# KiCad board simplyKeeb-S60c.kicad_pcb (continued)
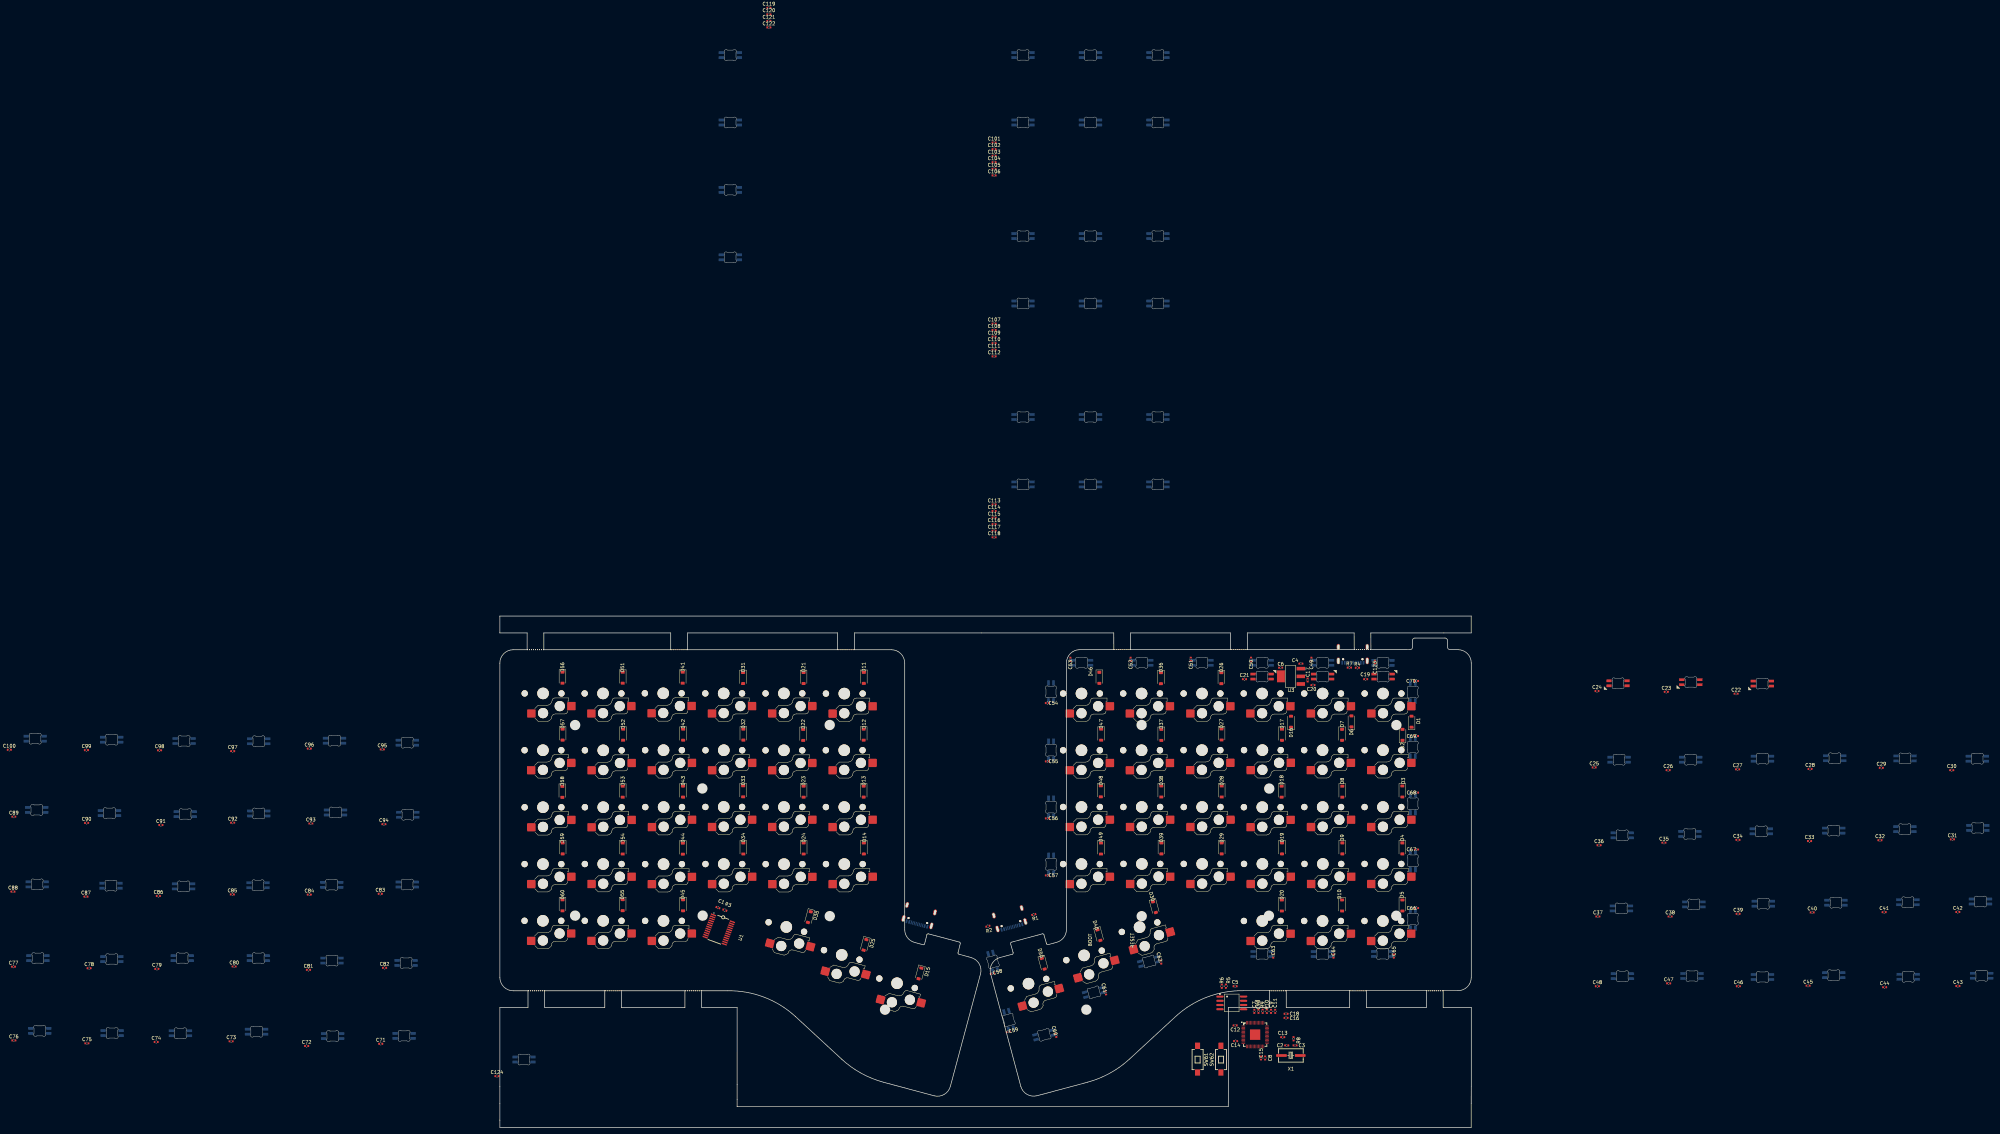
[diagram p0: board, top side]
## Placement (name value [footprint] x y rotation side) (continued)
D117  SK6812MINI-E  [Choc_SK6812MINI-E]  24.8 33.33 0 top
D118  SK6812MINI-E  [Choc_SK6812MINI-E]  3.1 33.98 0 top
D119  SK6812MINI-E  [Choc_SK6812MINI-E]  2.55 55.78 0 top
D120  SK6812MINI-E  [Choc_SK6812MINI-E]  24.7 55.48 0 top
D121  SK6812MINI-E  [Choc_SK6812MINI-E]  45.8 55.78 0 top
D122  SK6812MINI-E  [Choc_SK6812MINI-E]  68.6 55.78 0 top
D123  SK6812MINI-E  [Choc_SK6812MINI-E]  90.65 55.03 0 top
D124  SK6812MINI-E  [Choc_SK6812MINI-E]  112.85 54.33 0 top
D125  SK6812MINI-E  [Choc_SK6812MINI-E]  113.2 77.83 0 top
D126  SK6812MINI-E  [Choc_SK6812MINI-E]  90.55 77.73 0 top
D127  SK6812MINI-E  [Choc_SK6812MINI-E]  68.5 77.63 0 top
D128  SK6812MINI-E  [Choc_SK6812MINI-E]  46.2 77.28 0 top
D129  SK6812MINI-E  [Choc_SK6812MINI-E]  24.45 77.48 0 top
D130  SK6812MINI-E  [Choc_SK6812MINI-E]  2.35 77.88 0 top
D131  SK6812MINI-E  [Choc_SK6812MINI-E]  2.2 100.18 0 top
D132  SK6812MINI-E  [Choc_SK6812MINI-E]  24 99.23 0 top
D133  SK6812MINI-E  [Choc_SK6812MINI-E]  46.7 98.93 0 top
D134  SK6812MINI-E  [Choc_SK6812MINI-E]  68.7 99.13 0 top
D135  SK6812MINI-E  [Choc_SK6812MINI-E]  91.7 99.43 0 top
D136  SK6812MINI-E  [Choc_SK6812MINI-E]  113.35 98.73 0 top
D137  SK6812MINI-E  [Choc_SK6812MINI-E]  113.2 120.33 0 top
D138  SK6812MINI-E  [Choc_SK6812MINI-E]  91.4 120.93 0 top
D139  SK6812MINI-E  [Choc_SK6812MINI-E]  68.7 120.78 0 top
D140  SK6812MINI-E  [Choc_SK6812MINI-E]  46.35 120.83 0 top
D141  SK6812MINI-E  [Choc_SK6812MINI-E]  24.65 121.23 0 top
D142  SK6812MINI-E  [Choc_SK6812MINI-E]  1.75 121.53 0 top
D143  SK6812MINI-E  [Choc_SK6812MINI-E]  297.63 326.36 0 top
D144  SK6812MINI-E  [Choc_SK6812MINI-E]  297.63 306.16 0 top
D145  SK6812MINI-E  [Choc_SK6812MINI-E]  317.83 326.36 0 top
D146  SK6812MINI-E  [Choc_SK6812MINI-E]  317.83 306.16 0 top
D147  SK6812MINI-E  [Choc_SK6812MINI-E]  338.03 326.36 0 top
D148  SK6812MINI-E  [Choc_SK6812MINI-E]  338.03 306.16 0 top
D149  SK6812MINI-E  [Choc_SK6812MINI-E]  297.63 272.14 0 top
D150  SK6812MINI-E  [Choc_SK6812MINI-E]  297.63 251.94 0 top
D151  SK6812MINI-E  [Choc_SK6812MINI-E]  317.83 272.14 0 top
D152  SK6812MINI-E  [Choc_SK6812MINI-E]  317.83 251.94 0 top
D153  SK6812MINI-E  [Choc_SK6812MINI-E]  338.03 272.14 0 top
D154  SK6812MINI-E  [Choc_SK6812MINI-E]  338.03 251.94 0 top
D155  SK6812MINI-E  [Choc_SK6812MINI-E]  297.63 217.92 0 top
D156  SK6812MINI-E  [Choc_SK6812MINI-E]  297.63 197.72 0 top
D157  SK6812MINI-E  [Choc_SK6812MINI-E]  317.83 217.92 0 top
D158  SK6812MINI-E  [Choc_SK6812MINI-E]  317.83 197.72 0 top
D159  SK6812MINI-E  [Choc_SK6812MINI-E]  338.03 217.92 0 top
D160  SK6812MINI-E  [Choc_SK6812MINI-E]  338.03 197.72 0 top
D161  SK6812MINI-E  [Choc_SK6812MINI-E]  209.96 326.36 0 top
D162  SK6812MINI-E  [Choc_SK6812MINI-E]  209.96 306.16 0 top
D163  SK6812MINI-E  [Choc_SK6812MINI-E]  209.96 285.96 0 top
D164  SK6812MINI-E  [Choc_SK6812MINI-E]  209.96 265.76 0 top
D165  SK6812MINI-E  [Choc_SK6812MINI-E]  405.45 144.25 0 top
D166  SK6812MINI-E  [Choc_SK6812MINI-E]  148.17 25.39 0 top
R1  R4.7k  [R_0402_1005Metric]  300.84 63.76 195 top
R2  R4.7k  [R_0402_1005Metric]  287.09 60.26 15 top
R3  10k  [R_0402_1005Metric]  208.3 65.08 160 top
R4  5.1k  [R_0402_1005Metric]  397.78 137.71 180 top
R5  1k  [R_0402_1005Metric]  358.4 42.29 90 top
R6  10k  [R_0402_1005Metric]  357.15 42.29 270 top
R7  5.1k  [R_0402_1005Metric]  395.37 137.75 180 top
R8  1k  [R_0402_1005Metric]  378.65 26.53 270 top
R9  27R  [R_0402_1005Metric]  369.4 34.76 270 top
R10  27R  [R_0402_1005Metric]  370.65 34.76 270 top
REF**  -  [Breakaway_Tabs]  151.6 143.13 0 top
REF**#2  -  [Breakaway_Tabs]  194.6 143.13 0 top
REF**#3  -  [Breakaway_Tabs]  327.3 143.18 0 top
REF**#4  -  [Breakaway_Tabs]  151.85 40.93 0 top
REF**#5  -  [Breakaway_Tabs]  399.35 143.18 0 top
REF**#6  -  [Breakaway_Tabs]  362.35 143.18 0 top
REF**#7  -  [Breakaway_Tabs]  198.85 40.93 0 top
REF**#8  -  [Breakaway_Tabs]  244.6 143.13 0 top
REF**#9  -  [Breakaway_Tabs]  373.95 40.93 0 top
REF**#10  -  [Breakaway_Tabs]  420.95 40.93 0 top
REF**#11  -  [Breakaway_Tabs]  397.95 40.93 0 top
REF**#12  -  [Breakaway_Tabs]  174.85 40.93 0 top
SW1  SW_Push  [Choc-1U-Hotswap]  405.45 129.98 0 bottom
SW2  SW_Push  [Choc-1U-Hotswap]  405.43 113.02 0 bottom
SW3  SW_Push  [Choc-1U-Hotswap]  405.43 95.97 0 bottom
SW4  SW_Push  [Choc-1U-Hotswap]  405.43 78.92 0 bottom
SW5  SW_Push  [Choc-1U-Hotswap]  405.4 61.83 0 bottom
SW6  SW_Push  [Choc-1U-Hotswap]  387.35 129.98 0 bottom
SW7  SW_Push  [Choc-1U-Hotswap]  387.33 113.02 0 bottom
SW8  SW_Push  [Choc-1U-Hotswap]  387.38 95.97 0 bottom
SW9  SW_Push  [Choc-1U-Hotswap]  387.43 78.92 0 bottom
SW10  SW_Push  [Choc-1U-Hotswap]  387.34 61.83 0 bottom
SW11  SW_Push  [Choc-1U-Hotswap]  244.09 129.97 0 bottom
SW12  SW_Push  [Choc-1U-Hotswap]  244.06 112.99 0 bottom
SW13  SW_Push  [Choc-1U-Hotswap]  244.08 95.97 0 bottom
SW14  SW_Push  [Choc-1U-Hotswap]  244.1 78.88 0 bottom
SW15  SW_Push  [Choc-2U-Hotswap-Vertical]  259.89 43.17 345 bottom
SW16  SW_Push  [Choc-1U-Hotswap]  369.24 129.98 0 bottom
SW17  SW_Push  [Choc-1U-Hotswap]  369.32 113.02 0 bottom
SW18  SW_Push  [Choc-1U-Hotswap]  369.29 95.93 0 bottom
SW19  SW_Push  [Choc-1U-Hotswap]  369.32 78.92 0 bottom
SW20  SW_Push  [Choc-1U-Hotswap]  369.29 61.83 0 bottom
SW21  SW_Push  [Choc-1U-Hotswap]  226 130.02 0 bottom
SW22  SW_Push  [Choc-1U-Hotswap]  226 112.96 0 bottom
SW23  SW_Push  [Choc-1U-Hotswap]  226.01 95.98 0 bottom
SW24  SW_Push  [Choc-1U-Hotswap]  226.04 78.86 0 bottom
SW25  SW_Push  [Choc-1.5U-Hotswap-Vertical]  243.32 51.67 345 bottom
SW26  SW_Push  [Choc-1U-Hotswap]  351.24 129.98 0 bottom
SW27  SW_Push  [Choc-1U-Hotswap]  351.22 113.02 0 bottom
SW28  SW_Push  [Choc-1U-Hotswap]  351.27 95.97 0 bottom
SW29  SW_Push  [Choc-1U-Hotswap]  351.27 78.92 0 bottom
SW30  SW_Push  [Choc-1U-Hotswap]  332.54 59.97 15 bottom
SW31  SW_Push  [Choc-1U-Hotswap]  207.96 130.02 0 bottom
SW32  SW_Push  [Choc-1U-Hotswap]  208.01 112.99 0 bottom
SW33  SW_Push  [Choc-1U-Hotswap]  207.98 95.99 0 bottom
SW34  SW_Push  [Choc-1U-Hotswap]  208.01 78.89 0 bottom
SW35  SW_Push  [Choc-1U-Hotswap]  226.73 60.03 345 bottom
SW36  SW_Push  [Choc-1U-Hotswap]  333.14 129.98 0 bottom
SW37  SW_Push  [Choc-1U-Hotswap]  333.14 112.98 0 bottom
SW38  SW_Push  [Choc-1U-Hotswap]  333.19 95.98 0 bottom
SW39  SW_Push  [Choc-1U-Hotswap]  333.22 78.92 0 bottom
SW40  SW_Push  [Choc-1.5U-Hotswap-Vertical]  315.91 51.51 15 bottom
SW41  SW_Push  [Choc-1U-Hotswap]  189.86 130.05 0 bottom
SW42  SW_Push  [Choc-1U-Hotswap]  189.95 113 0 bottom
SW43  SW_Push  [Choc-1U-Hotswap]  189.98 95.96 0 bottom
SW44  SW_Push  [Choc-1U-Hotswap]  189.96 78.86 0 bottom
SW45  SW_Push  [Choc-1U-Hotswap]  189.93 61.87 0 bottom
SW46  SW_Push  [Choc-1U-Hotswap]  315.14 129.98 0 bottom
SW47  SW_Push  [Choc-1U-Hotswap]  315.14 112.98 0 bottom
SW48  SW_Push  [Choc-1U-Hotswap]  315.14 95.98 0 bottom
SW49  SW_Push  [Choc-1U-Hotswap]  315.14 78.88 0 bottom
SW50  SW_Push  [Choc-2U-Hotswap-Vertical]  299.27 43.05 15 bottom
SW51  SW_Push  [Choc-1U-Hotswap]  171.83 130 0 bottom
SW52  SW_Push  [Choc-1U-Hotswap]  171.9 112.96 0 bottom
SW53  SW_Push  [Choc-1U-Hotswap]  171.9 95.92 0 bottom
SW54  SW_Push  [Choc-1U-Hotswap]  171.88 78.89 0 bottom
SW55  SW_Push  [Choc-1U-Hotswap]  171.87 61.88 0 bottom
SW56  SW_Push  [Choc-1U-Hotswap]  153.87 130.01 0 bottom
SW57  SW_Push  [Choc-1U-Hotswap]  153.83 112.99 0 bottom
SW58  SW_Push  [Choc-1U-Hotswap]  153.85 95.91 0 bottom
SW59  SW_Push  [Choc-1U-Hotswap]  153.84 78.87 0 bottom
SW60  SW_Push  [Choc-1U-Hotswap]  153.82 61.88 0 bottom
SW61  ~  [SW-SMD_L6.0-W3.3-LS8.0]  349.9 20.43 90 top
SW62  ~  [SW-SMD_L6.0-W3.3-LS8.0]  356.9 20.43 90 top
U1  PCA9555PW (IO Expander)  [TSSOP-24_L7.8-W4.4-P0.65-LS6.4-BL]  206.5 59.28 250 top
U2  ~  [SOIC-8_L5.3-W5.3-P1.27-LS8.0-BL]  360.15 37.28 270 top
U3  ~  [SOT-223-3_L6.5-W3.4-P2.30-LS7.0-BR]  377.85 135.13 0 top
U4  ~  [RP2040]  367.15 27.78 0 top
USB1  USB Type C  [USB-C-SMD_TYPE-C-31-M-31#2]  266.46 63.22 345 bottom
USB2  USB Type C  [USB-C-SMD_TYPE-C-31-M-31]  293.67 62.3 15 bottom
USB3  USB Type C  [USB-C-SMD_TYPE-C-31-M-31#3]  396.4 141.58 0 bottom
X1  S4T12000ZYFAC  [CRYSTAL-SMD_L7.4-W4.0-LS8.0]  377.85 21.53 180 top

## Library data of the parts
C1-C6 C17 C19-C124 = -: Description: Unpolarized capacitor
C7 C8 C10 C12-C16 C18 = -: Description: Unpolarized capacitor; LCSC: C83056
C9 C11 = -: Description: Unpolarized capacitor; LCSC: C92755
D1-D60 = -: Description: 75V 0.15A Fast Switching Diode, SOD-123
D61-D166 = -: Field4: 1
R1-R8 = -: Description: Resistor
R9 R10 = -: Description: Resistor; LCSC: C25100
SW1-SW62 = -: Description: Push button switch, generic, two pins
U1 = -: JLC Part: Extended Part; LCSC: C128392; LCSC Part: C128392; Manufacturer: NXP
U2 = -: JLC Part: Extended Part; LCSC: C82317; LCSC Part: C82317; Manufacturer: WINBOND
U3 = -: JLC Part: Extended Part; LCSC: C26537; LCSC Part: C26537; Manufacturer: ON
U4 = -: JLC Part: Extended Part; LCSC: C2040; LCSC Part: C2040; Manufacturer: Raspberry Pi
USB1-USB3 = -: JLC Part: Extended Part; LCSC: C2760486; LCSC Part: C2760486; Manufacturer: 韩国韩荣
X1 = -: LCSC: C2149004; LCSC Part: C2149004; Manufacturer: JYJE(晶友嘉)

## Footprints (pads in the part's own frame, mm; a bottom-side part is the same pattern mirrored in y, then rotated)
Breakaway_Tabs
  round 0.3 hole 0.3 unplated: (-2.375,0) (-1.781,0) (-1.188,0) (-0.594,0) (0,0) (0.594,0) (1.188,0) (1.781,0) (2.375,0)
C_0402_1005Metric
  rrect 0.56x0.62 smd: 1(-0.48,0) 2(0.48,0)
Choc-1.5U-Hotswap-Vertical
  round 1.9 hole 1.9 unplated: (-5.5,0) (5.5,0)
  round 3.45 hole 3.45 unplated: (0,0)
  round 3.05 hole 3.05 unplated: (0,5.9) (5,3.8)
  rrect 2.55x2.5 smd far side: 1(-3.5,6) 2(8.5,3.8)
Choc-1U-Hotswap
  round 1.9 hole 1.9 unplated: (-5.5,0) (5.5,0)
  round 3.45 hole 3.45 unplated: (0,0)
  round 3.05 hole 3.05 unplated: (0,5.9) (5,3.8)
  rrect 2.55x2.5 smd far side: 1(-3.5,6) 2(8.5,3.8)
Choc-2U-Hotswap-Vertical
  round 1.9 hole 1.9 unplated: (-5.5,0) (5.5,0)
  round 3.45 hole 3.45 unplated: (0,0)
  round 3.05 hole 3.05 unplated: (0,5.9) (5,3.8)
  rrect 2.55x2.5 smd far side: 1(-3.5,6) 2(8.5,3.8)
Choc_SK6812MINI-E
  rrect 1.6x0.82 smd far side: 1(-2.7,-4.33) 2(-2.7,-5.83) 3(2.7,-5.83) 4(2.7,-4.33)
CRYSTAL-SMD_L7.4-W4.0-LS8.0
  rect 3.2x0.8 smd: 1(-2.8,0) 2(2.8,0)
D_SOD-123
  rrect 0.9x1.2 smd: 1(-1.65,0) 2(1.65,0)
R_0402_1005Metric
  rrect 0.54x0.64 smd: 1(-0.51,0) 2(0.51,0)
RP2040
  rect 1.1x0.2 smd: 1(-3.55,2.6) 2(-3.55,2.2) 3(-3.55,1.8) 4(-3.55,1.4) 5(-3.55,1) 6(-3.55,0.6) 7(-3.55,0.2) 8(-3.55,-0.2) 9(-3.55,-0.6) 10(-3.55,-1) 11(-3.55,-1.4) 12(-3.55,-1.8) 13(-3.55,-2.2) 14(-3.55,-2.6) 29(3.55,-2.6) 30(3.55,-2.2) 31(3.55,-1.8) 32(3.55,-1.4) 33(3.55,-1) 34(3.55,-0.6) 35(3.55,-0.2) 36(3.55,0.2) 37(3.55,0.6) 38(3.55,1) 39(3.55,1.4) 40(3.55,1.8) 41(3.55,2.2) 42(3.55,2.6)
  rect 0.2x1.1 smd: 15(-2.6,-3.55) 16(-2.2,-3.55) 17(-1.8,-3.55) 18(-1.4,-3.55) 19(-1,-3.55) 20(-0.6,-3.55) 21(-0.2,-3.55) 22(0.2,-3.55) 23(0.6,-3.55) 24(1,-3.55) 25(1.4,-3.55) 26(1.8,-3.55) 27(2.2,-3.55) 28(2.6,-3.55) 43(2.6,3.55) 44(2.2,3.55) 45(1.8,3.55) 46(1.4,3.55) 47(1,3.55) 48(0.6,3.55) 49(0.2,3.55) 50(-0.2,3.55) 51(-0.6,3.55) 52(-1,3.55) 53(-1.4,3.55) 54(-1.8,3.55) 55(-2.2,3.55) 56(-2.6,3.55)
  rect 3.1x3.1 smd: 57(0,0)
SOIC-8_L5.3-W5.3-P1.27-LS8.0-BL
  oval 0.63x2.25 smd: 1(-1.91,-3.53) 2(-0.63,-3.53) 3(0.63,-3.53) 4(1.9,-3.53) 5(1.9,3.53) 6(0.63,3.53) 7(-0.63,3.53) 8(-1.91,3.53)
SOT-223-3_L6.5-W3.4-P2.30-LS7.0-BR
  rect 2.5x1.1 smd: 1(2.97,-2.3) 2(2.97,0) 3(2.97,2.3)
  rect 2.34x3.6 smd: 2(-2.97,0)
SW-SMD_L6.0-W3.3-LS8.0
  rect 1.9x1.5 smd: 1(-4,0) 2(4,0)
TSSOP-24_L7.8-W4.4-P0.65-LS6.4-BL
  rect 0.4x1.65 smd: 1(-3.57,-3.02) 2(-2.92,-3.02) 3(-2.27,-3.02) 4(-1.62,-3.02) 5(-0.97,-3.02) 6(-0.32,-3.02) 7(0.32,-3.02) 8(0.98,-3.02) 9(1.63,-3.02) 10(2.28,-3.02) 11(2.93,-3.02) 12(3.57,-3.02) 13(3.57,3.02) 14(2.93,3.02) 15(2.28,3.02) 16(1.63,3.02) 17(0.98,3.02) 18(0.32,3.02) 19(-0.32,3.02) 20(-0.97,3.02) 21(-1.62,3.02) 22(-2.27,3.02) 23(-2.92,3.02) 24(-3.57,3.02)
USB-C-SMD_TYPE-C-31-M-31
  round 0.6 hole 0.6: (-2.89,1.31) (2.89,1.31)
  oval 1x1.8 hole 0.6x1.4: 1(-4.32,-2.37) 1(4.32,-2.37)
  oval 1x2 hole 0.6x1.7: 1(-4.32,1.81) 1(4.32,1.81)
  rect 0.5x1.14 smd: A1(-3.2,2.37) A4(-2.4,2.37) A9(2.4,2.37) A12(3.2,2.37)
  rect 0.3x1.14 smd: A5(-1.25,2.37) A6(-0.25,2.37) A7(0.25,2.37) A8(1.25,2.37) B5(1.75,2.37) B6(0.75,2.37) B7(-0.75,2.37) B8(-1.75,2.37)
USB-C-SMD_TYPE-C-31-M-31#2
  round 0.6 hole 0.6: (-2.89,1.31) (2.89,1.31)
  oval 1x2 hole 0.6x1.7: 1(-4.32,1.81) 1(4.32,1.81)
  oval 1x1.8 hole 0.6x1.4: 1(-4.32,-2.37) 1(4.32,-2.37)
  rect 0.5x1.14 smd: A1(-3.2,2.37) A4(-2.4,2.37) A9(2.4,2.37) A12(3.2,2.37)
  rect 0.3x1.14 smd: A5(-1.25,2.37) A6(-0.25,2.37) A7(0.25,2.37) A8(1.25,2.37) B5(1.75,2.37) B6(0.75,2.37) B7(-0.75,2.37) B8(-1.75,2.37)
USB-C-SMD_TYPE-C-31-M-31#3
  round 0.6 hole 0.6: (-2.89,1.31) (2.89,1.31)
  oval 1x1.8 hole 0.6x1.4: 1(-4.32,-2.37) 1(4.32,-2.37)
  oval 1x2 hole 0.6x1.7: 1(-4.32,1.81) 1(4.32,1.81)
  rect 0.5x1.14 smd: A1(-3.2,2.37) A4(-2.4,2.37) A9(2.4,2.37) A12(3.2,2.37)
  rect 0.3x1.14 smd: A5(-1.25,2.37) A6(-0.25,2.37) A7(0.25,2.37) A8(1.25,2.37) B5(1.75,2.37) B6(0.75,2.37) B7(-0.75,2.37) B8(-1.75,2.37)

## Nets
+1V1: C7.1 C8.1 C9.1 U4.23 U4.45 U4.50
+3V3: C5.1 C6.1 C10.1 C11.1 C12.1 C13.1 C14.1 C15.1 C16.1 C17.1 C18.1 R6.1 U2.8 U3.2 U4.1 U4.10 U4.22 U4.33 U4.42 U4.43 U4.44 U4.48 U4.49
GND: C2.2 C3.2 C4.2 C5.2 C6.2 C7.2 C8.2 C9.2 C10.2 C11.2 C12.2 C13.2 C14.2 C15.2 C16.2 C17.2 C18.2 C19.2 C20.2 C21.1 C22.2 C23.2 C24.2 C25.2 C26.2 C27.1 C28.2 C29.2 C30.2 C31.2 C32.2 C33.1 C34.2 C35.2 C36.2 C37.2 C38.2 C39.1 C40.2 C41.2 C42.2 C43.2 C44.2 C45.1 C46.2 C47.2 C48.2 C49.2 C50.2 C51.1 C52.2 C53.2 C54.2 C55.2 C56.2 C57.1 C58.2 C59.2 C60.2 C61.2 C62.2 C63.1 C64.2 C65.2 C66.2 C67.2 C68.2 C69.2 C70.2 C71.2 C72.2 C73.1 C74.2 C75.2 C76.2 C77.2 C78.2 C79.1 C80.2 C81.2 C82.2 C83.2 C84.2 C85.1 C86.2 C87.2 C88.2 C89.2 C90.2 C91.1 C92.2 C93.2 C94.2 C95.2 C96.2 C97.1 C98.2 C99.2 C100.2 C101.2 C102.2 C103.1 C104.2 C105.2 C106.2 C107.2 C108.2 C109.1 C110.2 C111.2 C112.2 C113.2 C114.2 C115.1 C116.2 C117.2 C118.2 C119.2 C120.2 C121.2 C122.2 C123.2 C124.2 D61.3 D62.3 D63.3 D64.3 D65.3 D66.3 D67.3 D68.3 D69.3 D70.3 D71.3 D72.3 D73.3 D74.3 D75.3 D76.3 D77.3 D78.3 D79.3 D80.3 D81.3 D82.3 D83.3 D84.3 D85.3 D86.3 D87.3 D88.3 D89.3 D90.3 D91.3 D92.3 D93.3 D94.3 D95.3 D96.3 D97.3 D98.3 D99.3 D100.3 D101.3 D102.3 D103.3 D104.3 D105.3 D106.3 D107.3 D108.3 D109.3 D110.3 D111.3 D112.3 D113.3 D114.3 D115.3 D116.3 D117.3 D118.3 D119.3 D120.3 D121.3 D122.3 D123.3 D124.3 D125.3 D126.3 D127.3 D128.3 D129.3 D130.3 D131.3 D132.3 D133.3 D134.3 D135.3 D136.3 D137.3 D138.3 D139.3 D140.3 D141.3 D142.3 D143.3 D144.3 D145.3 D146.3 D147.3 D148.3 D149.3 D150.3 D151.3 D152.3 D153.3 D154.3 D155.3 D156.3 D157.3 D158.3 D159.3 D160.3 D161.3 D162.3 D163.3 D164.3 D165.3 D166.3 R4.1 R7.2 SW61.1 SW62.1 U2.4 U3.1 U4.19 U4.57 USB2.A1 USB2.A12 USB3.A1 USB3.A12
VBUS: C4.1 C19.1 C20.1 C21.2 C22.1 C23.1 C24.1 C25.1 C26.1 C27.2 C28.1 C29.1 C30.1 C31.1 C32.1 C33.2 C34.1 C35.1 C36.1 C37.1 C38.1 C39.2 C40.1 C41.1 C42.1 C43.1 C44.1 C45.2 C46.1 C47.1 C48.1 C49.1 C50.1 C51.2 C52.1 C53.1 C54.1 C55.1 C56.1 C57.2 C58.1 C59.1 C60.1 C61.1 C62.1 C63.2 C64.1 C65.1 C66.1 C67.1 C68.1 C69.1 C70.1 C71.1 C72.1 C73.2 C74.1 C75.1 C76.1 C77.1 C78.1 C79.2 C80.1 C81.1 C82.1 C83.1 C84.1 C85.2 C86.1 C87.1 C88.1 C89.1 C90.1 C91.2 C92.1 C93.1 C94.1 C95.1 C96.1 C97.2 C98.1 C99.1 C100.1 C101.1 C102.1 C103.2 C104.1 C105.1 C106.1 C107.1 C108.1 C109.2 C110.1 C111.1 C112.1 C113.1 C114.1 C115.2 C116.1 C117.1 C118.1 C119.1 C120.1 C121.1 C122.1 C123.1 C124.1 D61.1 D62.1 D63.1 D64.1 D65.1 D66.1 D67.1 D68.1 D69.1 D70.1 D71.1 D72.1 D73.1 D74.1 D75.1 D76.1 D77.1 D78.1 D79.1 D80.1 D81.1 D82.1 D83.1 D84.1 D85.1 D86.1 D87.1 D88.1 D89.1 D90.1 D91.1 D92.1 D93.1 D94.1 D95.1 D96.1 D97.1 D98.1 D99.1 D100.1 D101.1 D102.1 D103.1 D104.1 D105.1 D106.1 D107.1 D108.1 D109.1 D110.1 D111.1 D112.1 D113.1 D114.1 D115.1 D116.1 D117.1 D118.1 D119.1 D120.1 D121.1 D122.1 D123.1 D124.1 D125.1 D126.1 D127.1 D128.1 D129.1 D130.1 D131.1 D132.1 D133.1 D134.1 D135.1 D136.1 D137.1 D138.1 D139.1 D140.1 D141.1 D142.1 D143.1 D144.1 D145.1 D146.1 D147.1 D148.1 D149.1 D150.1 D151.1 D152.1 D153.1 D154.1 D155.1 D156.1 D157.1 D158.1 D159.1 D160.1 D161.1 D162.1 D163.1 D164.1 D165.1 D166.1 R1.1 R2.1 U3.3 USB2.A4 USB2.A9 USB3.A4 USB3.A9
VDD: R3.1 U1.24 USB1.A4 USB1.A9
VSS: C1.2 U1.2 U1.3 U1.12 U1.21 USB1.A1 USB1.A12
/Backlight L1/DIN: D91.4 U4.11
/Backlight L1/DOUT: D96.2 D97.4
/Backlight L2/DOUT: D102.2 D103.4
/Backlight L3/DOUT: D108.2 D109.4
/Backlight L4/DOUT: D61.4 D165.2
/Backlight R1/DIN: D142.2 D143.4
/Backlight R1/DOUT: D148.2 D149.4
/Backlight R2/DOUT: D154.2 D155.4
/Backlight R3/DOUT: D160.2 D161.4
/Backlight R4/DOUT: D166.2
/Col_L0: SW1.1 SW2.1 SW3.1 SW4.1 SW5.1 U4.35
/Col_L1: SW6.1 SW7.1 SW8.1 SW9.1 SW10.1 U4.36
/Col_L2: SW16.1 SW17.1 SW18.1 SW19.1 SW20.1 U4.8
/Col_L3: SW26.1 SW27.1 SW28.1 SW29.1 SW30.1 U4.7
/Col_L4: SW36.1 SW37.1 SW38.1 SW39.1 SW40.1 U4.6
/Col_L5: SW46.1 SW47.1 SW48.1 SW49.1 SW50.1 U4.9
/Col_R0: SW11.1 SW12.1 SW13.1 SW14.1 SW15.1 U1.4
/Col_R1: SW21.1 SW22.1 SW23.1 SW24.1 SW25.1 U1.5
/Col_R2: SW31.1 SW32.1 SW33.1 SW34.1 SW35.1 U1.6
/Col_R3: SW41.1 SW42.1 SW43.1 SW44.1 SW45.1 U1.7
/Col_R4: SW51.1 SW52.1 SW53.1 SW54.1 SW55.1 U1.8
/Col_R5: SW56.1 SW57.1 SW58.1 SW59.1 SW60.1 U1.9
/I2C_SCL_L: R2.2 U4.3 USB2.A6
/I2C_SCL_R: U1.22 USB1.A6
/I2C_SDA_L: R1.2 U4.2 USB2.A7
/I2C_SDA_R: U1.23 USB1.A7
/LEDs Row L1/DOUT: D66.2 D67.4
/LEDs Row L2/DOUT: D72.2 D73.4
/LEDs Row L3/DOUT: D78.2 D79.4
/LEDs Row L4/DOUT: D84.2 D85.4
/LEDs Row R1/DIN: D136.2 D137.4
/LEDs Row R2/DIN: D130.2 D131.4
/LEDs Row R3/DIN: D124.2 D125.4
/LEDs Row R4/DIN: D118.2 D119.4
/RGB_END_L: D90.2 USB2.B6
/RGB_START_R: D113.4 USB1.B6
/Row_L0: D1.1 D6.1 D16.1 D26.1 D36.1 D46.1 U4.29
/Row_L1: D2.1 D7.1 D17.1 D27.1 D37.1 D47.1 U4.30
/Row_L2: D3.1 D8.1 D18.1 D28.1 D38.1 D48.1 U4.31
/Row_L3: D4.1 D9.1 D19.1 D29.1 D39.1 D49.1 U4.32
/Row_L4: D5.1 D10.1 D20.1 D30.1 D40.1 D50.1 U4.34
/Row_R0: D11.1 D21.1 D31.1 D41.1 D51.1 D56.1 U1.13
/Row_R1: D12.1 D22.1 D32.1 D42.1 D52.1 D57.1 U1.14
/Row_R2: D13.1 D23.1 D33.1 D43.1 D53.1 D58.1 U1.15
/Row_R3: D14.1 D24.1 D34.1 D44.1 D54.1 D59.1 U1.16
/Row_R4: D15.1 D25.1 D35.1 D45.1 D55.1 D60.1 U1.17
/RP2040 for Keebs/GPIO2: U4.4
/RP2040 for Keebs/GPIO3: U4.5
/RP2040 for Keebs/GPIO9: U4.12
/RP2040 for Keebs/GPIO10: U4.13
/RP2040 for Keebs/GPIO11: U4.14
/RP2040 for Keebs/GPIO12: U4.15
/RP2040 for Keebs/GPIO13: U4.16
/RP2040 for Keebs/GPIO14: U4.17
/RP2040 for Keebs/GPIO15: U4.18
/RP2040 for Keebs/GPIO16: U4.27
/RP2040 for Keebs/GPIO17: U4.28
/RP2040 for Keebs/GPIO25: U4.37
/RP2040 for Keebs/GPIO26_ADC0: U4.38
/RP2040 for Keebs/GPIO27_ADC1: U4.39
/RP2040 for Keebs/GPIO28_ADC2: U4.40
/RP2040 for Keebs/GPIO29_ADC3: U4.41
/RP2040 for Keebs/QSPI_SCLK: U2.6 U4.52
/RP2040 for Keebs/QSPI_SD0: U2.5 U4.53
/RP2040 for Keebs/QSPI_SD1: U2.2 U4.55
/RP2040 for Keebs/QSPI_SD2: U2.3 U4.54
/RP2040 for Keebs/QSPI_SD3: U2.7 U4.51
/RP2040 for Keebs/QSPI_SS: R5.1 R6.2 U2.1 U4.56
/RP2040 for Keebs/USB_D+: R9.1 USB3.A6 USB3.B6
/RP2040 for Keebs/USB_D-: R10.1 USB3.A7 USB3.B7
/RP2040 for Keebs/XIN: C2.1 U4.20 X1.2
/RP2040 for Keebs/XOUT: R8.1 U4.21
/RP2040 for Keebs/~{USB_BOOT}: R5.2 SW61.2
Net-(C3-Pad1): C3.1 R8.2 X1.1
Net-(D1-A): D1.2 SW1.2
Net-(D2-A): D2.2 SW2.2
Net-(D3-A): D3.2 SW3.2
Net-(D4-A): D4.2 SW4.2
Net-(D5-A): D5.2 SW5.2
Net-(D6-A): D6.2 SW6.2
Net-(D7-A): D7.2 SW7.2
Net-(D8-A): D8.2 SW8.2
Net-(D9-A): D9.2 SW9.2
Net-(D10-A): D10.2 SW10.2
Net-(D11-A): D11.2 SW11.2
Net-(D12-A): D12.2 SW12.2
Net-(D13-A): D13.2 SW13.2
Net-(D14-A): D14.2 SW14.2
Net-(D15-A): D15.2 SW15.2
Net-(D16-A): D16.2 SW16.2
Net-(D17-A): D17.2 SW17.2
Net-(D18-A): D18.2 SW18.2
Net-(D19-A): D19.2 SW19.2
Net-(D20-A): D20.2 SW20.2
Net-(D21-A): D21.2 SW21.2
Net-(D22-A): D22.2 SW22.2
Net-(D23-A): D23.2 SW23.2
Net-(D24-A): D24.2 SW24.2
Net-(D25-A): D25.2 SW25.2
Net-(D26-A): D26.2 SW26.2
Net-(D27-A): D27.2 SW27.2
Net-(D28-A): D28.2 SW28.2
Net-(D29-A): D29.2 SW29.2
Net-(D30-A): D30.2 SW30.2
Net-(D31-A): D31.2 SW31.2
Net-(D32-A): D32.2 SW32.2
Net-(D33-A): D33.2 SW33.2
Net-(D34-A): D34.2 SW34.2
Net-(D35-A): D35.2 SW35.2
Net-(D36-A): D36.2 SW36.2
Net-(D37-A): D37.2 SW37.2
Net-(D38-A): D38.2 SW38.2
Net-(D39-A): D39.2 SW39.2
Net-(D40-A): D40.2 SW40.2
Net-(D41-A): D41.2 SW41.2
Net-(D42-A): D42.2 SW42.2
Net-(D43-A): D43.2 SW43.2
Net-(D44-A): D44.2 SW44.2
Net-(D45-A): D45.2 SW45.2
Net-(D46-A): D46.2 SW46.2
Net-(D47-A): D47.2 SW47.2
Net-(D48-A): D48.2 SW48.2
Net-(D49-A): D49.2 SW49.2
Net-(D50-A): D50.2 SW50.2
Net-(D51-A): D51.2 SW51.2
Net-(D52-A): D52.2 SW52.2
Net-(D53-A): D53.2 SW53.2
Net-(D54-A): D54.2 SW54.2
Net-(D55-A): D55.2 SW55.2
Net-(D56-A): D56.2 SW56.2
Net-(D57-A): D57.2 SW57.2
Net-(D58-A): D58.2 SW58.2
Net-(D59-A): D59.2 SW59.2
Net-(D60-A): D60.2 SW60.2
Net-(D61-DOUT): D61.2 D62.4
Net-(D62-DOUT): D62.2 D63.4
Net-(D63-DOUT): D63.2 D64.4
Net-(D64-DOUT): D64.2 D65.4
Net-(D65-DOUT): D65.2 D66.4
Net-(D67-DOUT): D67.2 D68.4
Net-(D68-DOUT): D68.2 D69.4
Net-(D69-DOUT): D69.2 D70.4
Net-(D70-DOUT): D70.2 D71.4
Net-(D71-DOUT): D71.2 D72.4
Net-(D73-DOUT): D73.2 D74.4
Net-(D74-DOUT): D74.2 D75.4
Net-(D75-DOUT): D75.2 D76.4
Net-(D76-DOUT): D76.2 D77.4
Net-(D77-DOUT): D77.2 D78.4
Net-(D79-DOUT): D79.2 D80.4
Net-(D80-DOUT): D80.2 D81.4
Net-(D81-DOUT): D81.2 D82.4
Net-(D82-DOUT): D82.2 D83.4
Net-(D83-DOUT): D83.2 D84.4
Net-(D85-DOUT): D85.2 D86.4
Net-(D86-DOUT): D86.2 D87.4
Net-(D87-DOUT): D87.2 D88.4
Net-(D88-DOUT): D88.2 D89.4
Net-(D89-DOUT): D89.2 D90.4
Net-(D91-DOUT): D91.2 D92.4
Net-(D92-DOUT): D92.2 D93.4
Net-(D93-DOUT): D93.2 D94.4
Net-(D94-DOUT): D94.2 D95.4
Net-(D95-DOUT): D95.2 D96.4
Net-(D97-DOUT): D97.2 D98.4
Net-(D98-DOUT): D98.2 D99.4
Net-(D100-DIN): D99.2 D100.4
Net-(D100-DOUT): D100.2 D101.4
Net-(D101-DOUT): D101.2 D102.4
Net-(D103-DOUT): D103.2 D104.4
Net-(D104-DOUT): D104.2 D105.4
Net-(D105-DOUT): D105.2 D106.4
Net-(D106-DOUT): D106.2 D107.4
Net-(D107-DOUT): D107.2 D108.4
Net-(D109-DOUT): D109.2 D110.4
Net-(D110-DOUT): D110.2 D111.4
Net-(D111-DOUT): D111.2 D112.4
Net-(D112-DOUT): D112.2 D165.4
Net-(D113-DOUT): D113.2 D114.4
Net-(D114-DOUT): D114.2 D115.4
Net-(D115-DOUT): D115.2 D116.4
Net-(D116-DOUT): D116.2 D117.4
Net-(D117-DOUT): D117.2 D118.4
Net-(D119-DOUT): D119.2 D120.4
Net-(D120-DOUT): D120.2 D121.4
Net-(D121-DOUT): D121.2 D122.4
Net-(D122-DOUT): D122.2 D123.4
Net-(D123-DOUT): D123.2 D124.4
Net-(D125-DOUT): D125.2 D126.4
Net-(D126-DOUT): D126.2 D127.4
Net-(D127-DOUT): D127.2 D128.4
Net-(D128-DOUT): D128.2 D129.4
Net-(D129-DOUT): D129.2 D130.4
Net-(D131-DOUT): D131.2 D132.4
Net-(D132-DOUT): D132.2 D133.4
Net-(D133-DOUT): D133.2 D134.4
Net-(D134-DOUT): D134.2 D135.4
Net-(D135-DOUT): D135.2 D136.4
Net-(D137-DOUT): D137.2 D138.4
Net-(D138-DOUT): D138.2 D139.4
Net-(D139-DOUT): D139.2 D140.4
Net-(D140-DOUT): D140.2 D141.4
Net-(D141-DOUT): D141.2 D142.4
Net-(D143-DOUT): D143.2 D144.4
Net-(D144-DOUT): D144.2 D145.4
Net-(D145-DOUT): D145.2 D146.4
Net-(D146-DOUT): D146.2 D147.4
Net-(D147-DOUT): D147.2 D148.4
Net-(D149-DOUT): D149.2 D150.4
Net-(D150-DOUT): D150.2 D151.4
Net-(D151-DOUT): D151.2 D152.4
Net-(D152-DOUT): D152.2 D153.4
Net-(D153-DOUT): D153.2 D154.4
Net-(D155-DOUT): D155.2 D156.4
Net-(D156-DOUT): D156.2 D157.4
Net-(D157-DOUT): D157.2 D158.4
Net-(D158-DOUT): D158.2 D159.4
Net-(D159-DOUT): D159.2 D160.4
Net-(D161-DOUT): D161.2 D162.4
Net-(D162-DOUT): D162.2 D163.4
Net-(D163-DOUT): D163.2 D164.4
Net-(D164-DOUT): D164.2 D166.4
Net-(U1-INT#): C1.1 R3.2 U1.1
Net-(U4-RUN): SW62.2 U4.26
Net-(U4-USB_DM): R10.2 U4.46
Net-(U4-USB_DP): R9.2 U4.47
Net-(USB3-CC1): R4.2 USB3.A5
Net-(USB3-CC2): R7.1 USB3.B5

Pads without a net: U1 10 11 18 19 20; U4 24 25; USB1 1 A5 A8 B5 B7 B8; USB2 1 A5 A8 B5 B7 B8; USB3 1 A8 B8

## Text on the board
B.Silkscreen: simplyKeeb S60 v2 | simplyKeeb S60c v1
F.Silkscreen: BOOT | RESET
